# Altium PCB CL-HC-M-V2.1gerber.PcbDoc (part 16 of 18)
Units mil, origin at the board's own origin, x right, y up, seen from the top; angles counter-clockwise.
Board outline 27559.06 x 27559.06 mil, 2 copper layers (TopLayer, BottomLayer); 757 components, 558 nets, 2605 pads, 2186 vias.
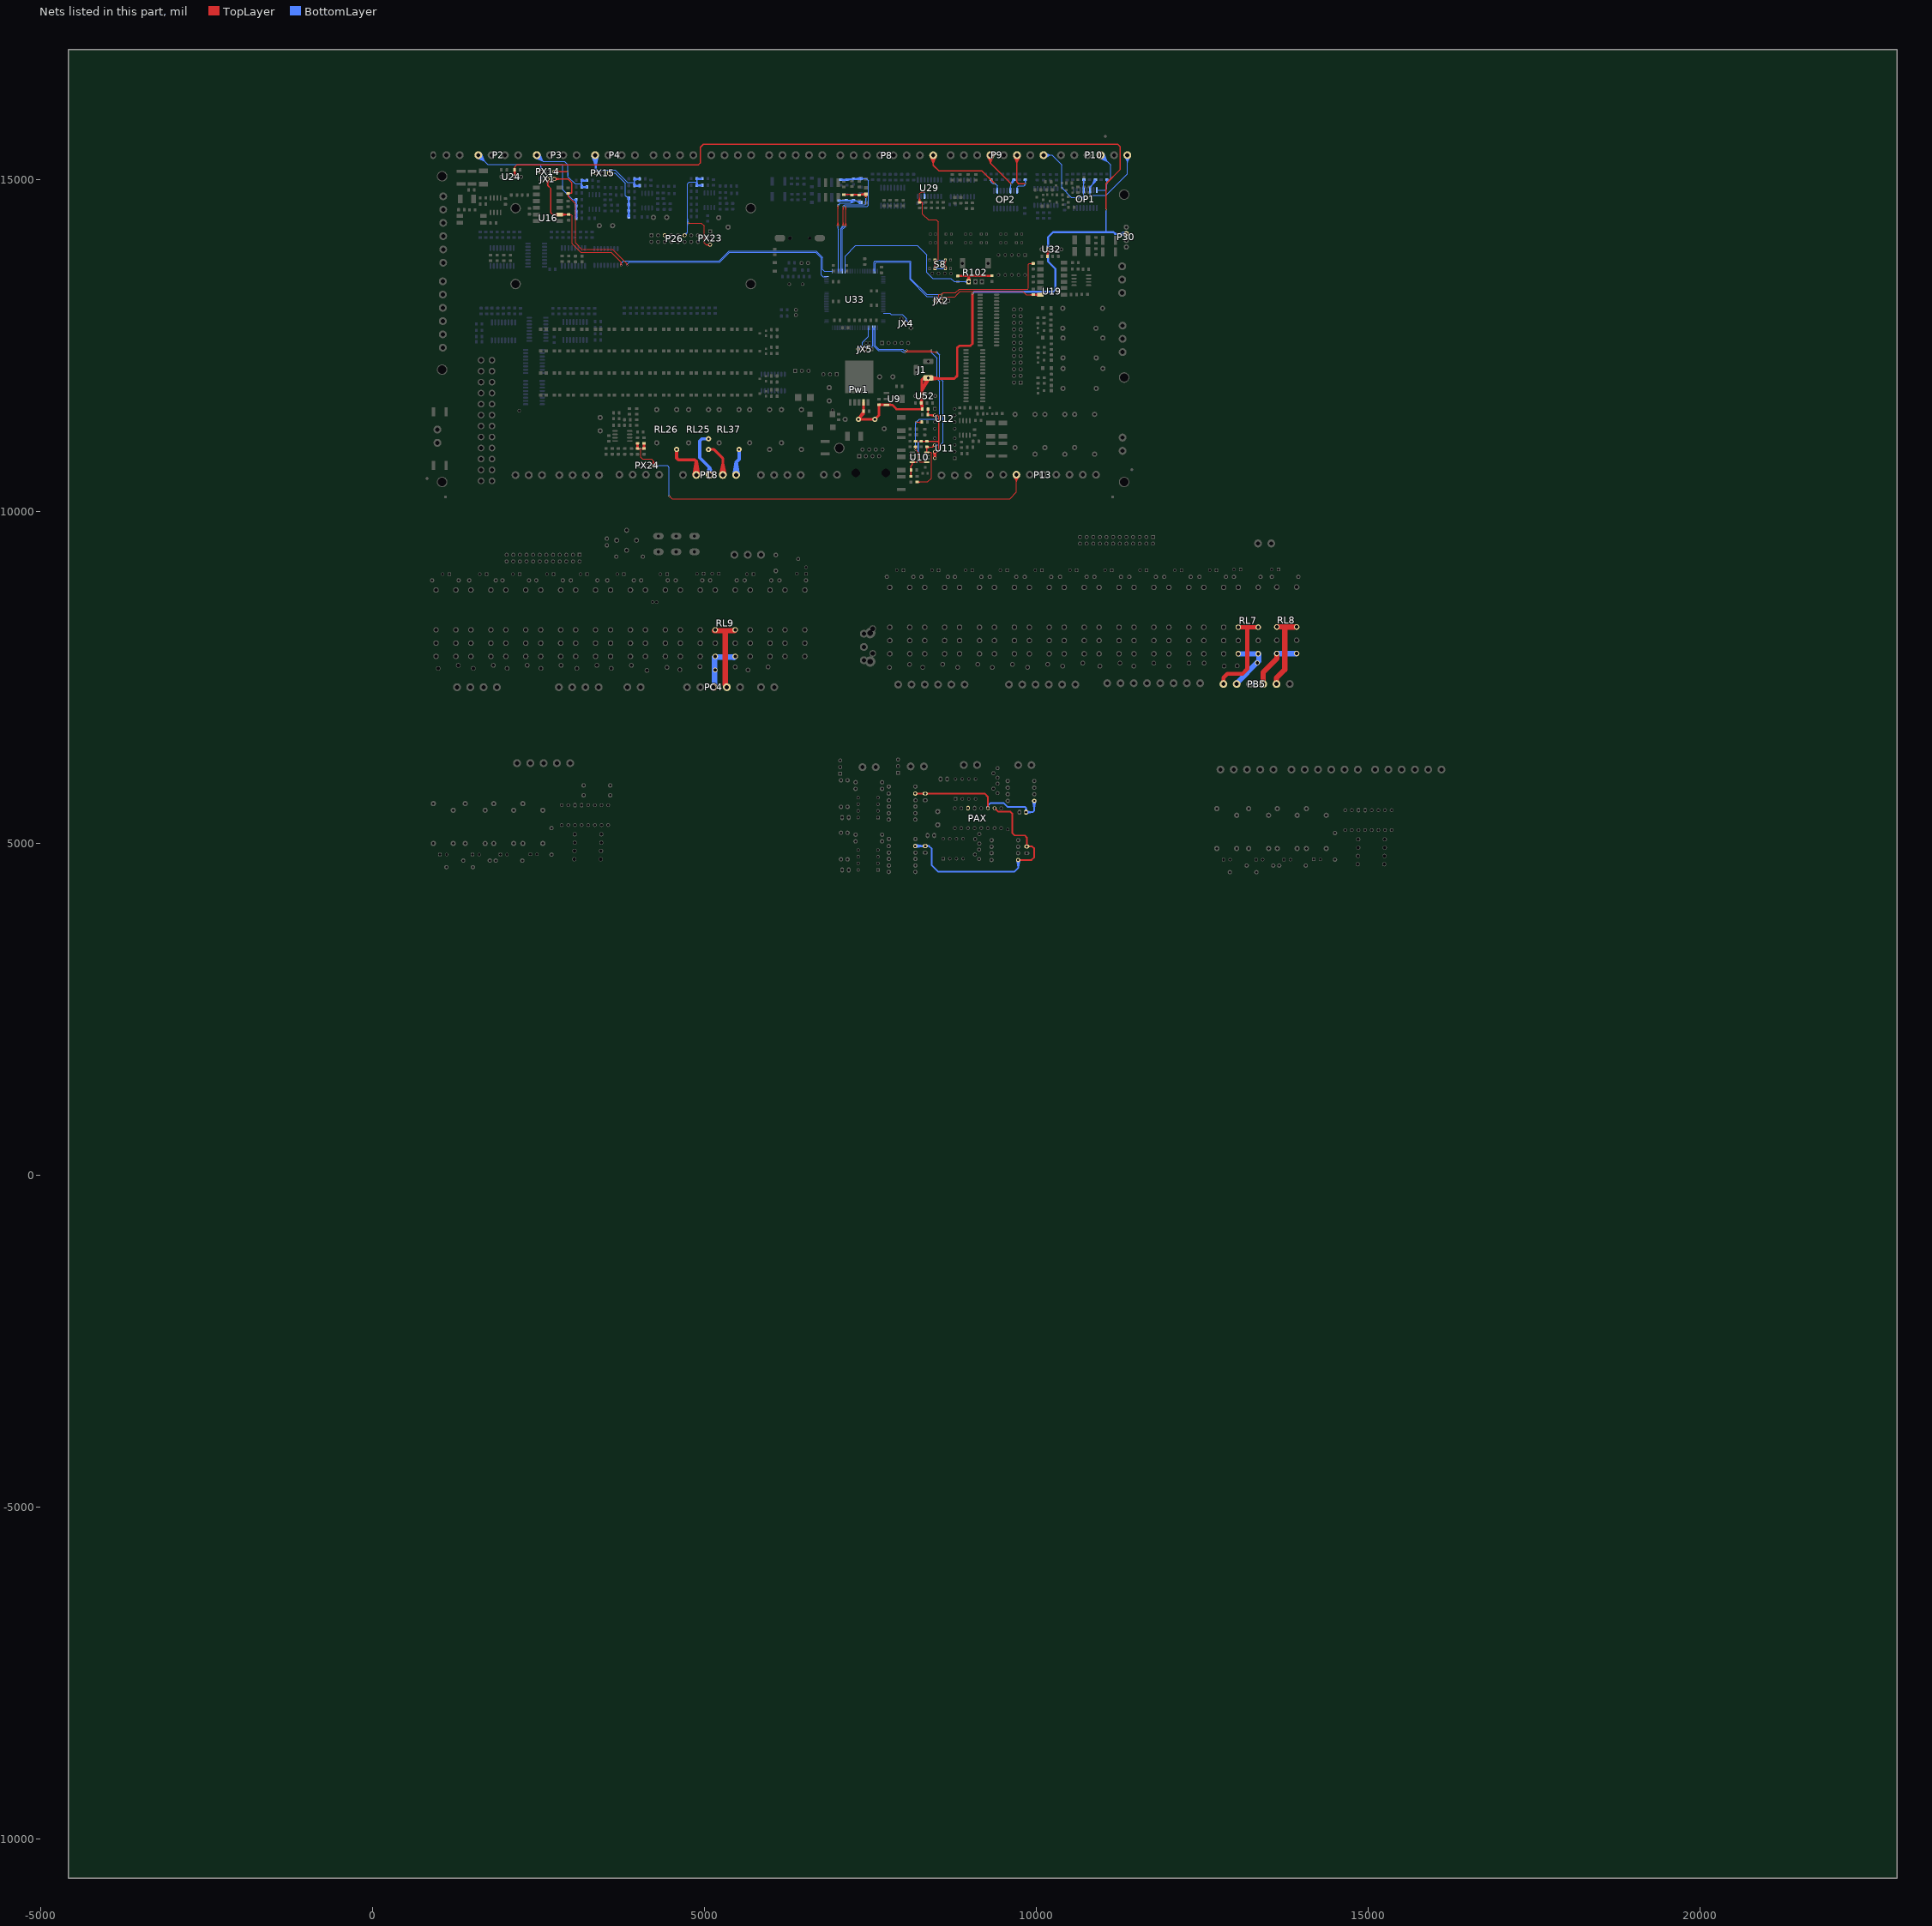
[diagram p16: the nets of this part, all layers, seen from the top]

## Via types
v1: diameter 25, hole 15, TopLayer to BottomLayer, tented both sides, 2146 vias
v2: diameter 20, hole 12, TopLayer to BottomLayer, tented both sides, 24 vias
v3: diameter 25, hole 15, TopLayer to BottomLayer, 13 vias
v4: diameter 50, hole 28, TopLayer to BottomLayer, tented both sides, 2 vias
v5: diameter 40, hole 24, TopLayer to BottomLayer, tented both sides, 1 vias

## Nets (pads, with @x,y where several pads share a name; then routed paths per layer and width w, separated by ;. In a path a pad name is that pad's centre, name@x,y a point inside that pad or via, vN(x,y) a via of type N, cw(c..) or ccw(c..) an arc to the next point about the centre after c; other vN are vias at no path point) (continued)
STM32-RX2: JX1.2 R174.2 U16.4 U33.37 | length 7053.5
  TopLayer w10: R174.2@2954.07,14474.76 2990.93,14474.76 ; R174.2@2959.07,14474.76 2990.93,14474.76 ; R174.2@2962.6,14460.18 2990.93,14474.76 ; R174.2@2962.6,14489.34 2990.93,14474.76 ; v1@3736.45,13707.45 3743.93,13749.29 v1@3751.4,13707.45 ; v1(3743.93,13706.79) 3743.93,13759.25 3595.06,13908.12 3134.97,13908.12 3005.82,14037.26 3005.82,14459.87 2990.93,14474.76
  TopLayer w20: JX1.2@2619.73,15008.06 2639.14,14920.66 JX1.2@2658.55,15008.06 ; JX1.2@2639.14,15010.19 2639.14,14912.6 2687.66,14864.08 2687.66,14500.06 2712.96,14474.76 U16.4@2823.29,14474.76 R174.2@2954.07,14474.76 ; U16.4@2801.48,14455.35 2714.08,14474.76 ; U16.4@2801.48,14494.17 2714.08,14474.76 ; U16.4@2803.61,14474.76 2714.08,14474.76 ; U16.4@2869.07,14474.76 R174.2@2949.07,14474.76 ; R174.2@2932.5,14474.76 2845.11,14494.17 R174.2@2932.5,14474.76 ; R174.2@2932.5,14474.76 2845.11,14455.35 R174.2@2932.5,14474.76 ; R174.2@2932.5,14474.76 2842.98,14474.76 R174.2@2932.5,14474.76
  BottomLayer w10: v1@3736.48,13707.69 3743.93,13738.09 ; v1(3743.93,13706.79) 3743.93,13738.09 ; v1@3751.37,13707.69 3743.93,13738.09 ; 6889.21,13622.58 U33.37@6923.96,13622.58 6806.53,13622.58 6780.81,13648.3 6780.81,13826.05 6682.82,13924.04 5375.1,13924.04 5226.68,13775.62 3781.46,13775.62 3743.93,13738.09
STM32-RX3: JX2.3 R175.2@9957.13,13268.69 U19.4 U33.70 | length 4320.5
  TopLayer w10: v1(8576.11,13231.2) 8771.44,13231.2 8789.46,13249.22 ; v1@8576.77,13223.73 8618.61,13231.2 v1@8576.77,13238.67 ; R175.2@9949.7,13283.49 9902.12,13268.09 ; R175.2@9950.06,13253.84 9902.12,13268.09 ; R175.2@9952.13,13268.69 9902.12,13268.09 ; R175.2@9957.13,13268.69 9957.73,13268.09 9849.48,13268.09 9801.4,13316.17 8856.4,13316.17 8797.79,13257.56 ; 8789.46,13249.22 8797.79,13257.56 ; 8789.46,13249.22 8797.79,13257.56
  TopLayer w20: U19.4@10040.45,13248.73 R175.2@9962.13,13268.69 ; U19.4@10040.72,13248.69 R175.2@9957.73,13268.09 ; U19.4@10042.13,13268.09 R175.2@9962.13,13268.69 ; U19.4@10062.64,13268.09 R175.2@9957.73,13268.09 ; R175.2@9957.73,13268.09 10040.72,13287.49 R175.2@9962.13,13268.69 ; R175.2@9957.73,13268.09 10042.95,13268.09 R175.2@9962.13,13268.69
  BottomLayer w10: U33.70@7573.57,13622.58 7573.57,13740.39 7588.62,13755.44 8083.88,13755.44 8096.48,13742.84 8096.48,13496.93 8351.62,13241.79 8473.42,13241.79 ; U33.70@7573.57,13652.83 7573.57,13687.58 ; JX2.3@8449.15,13182.02 8473.16,13236.5 ; JX2.3@8458.74,13178.74 8473.16,13236.5 ; JX2.3@8473.16,13176.97 8473.16,13241.52 8473.42,13241.79 ; JX2.3@8487.57,13178.74 8473.16,13236.5 ; JX2.3@8497.16,13182.02 8473.16,13236.5 ; v1@8575.45,13223.73 8533.61,13231.2 ; v1@8575.45,13238.67 8533.61,13231.2 ; 8473.42,13241.79 8521.68,13241.79 8532.26,13231.2 v1(8576.11,13231.2) 8533.61,13231.2
STM32-RX4: R158.1@8206.96,10446.03 R159.2@8352.38,10973.36 U10.4 U11.6 U33.112 | length 4932.9
  TopLayer w10: v1(8022.56,12403.59) v1(8498.2,12403.59) 8455.7,12403.59 ; v1@8497.54,12396.12 8455.7,12403.59 ; v1@8497.54,12411.06 8455.7,12403.59
  TopLayer w15: R158.1@8206.96,10446.03 8367.37,10446.03 8422.38,10501.04 8422.38,10883.36 8412.38,10893.36 ; R158.1@8211.96,10446.03 8276.96,10446.03 ; R158.1@8213.16,10433.59 8276.96,10446.03 ; R158.1@8213.16,10458.47 8276.96,10446.03 ; R159.2@8339.93,10972.16 8352.38,10908.36 R159.2@8364.82,10972.16 ; R159.2@8357.38,10973.36 8422.38,10973.36 ; R159.2@8358.58,10960.92 8422.38,10973.36 ; R159.2@8358.58,10985.8 8422.38,10973.36 ; U10.4@8380.38,10893.36 8412.38,10893.36 ; U11.6@8457.71,11012.91 8442.38,10973.36 ; U11.6@8472.38,11003.36 8442.38,10973.36 ; U11.6@8481.93,10988.7 8442.38,10973.36 ; 8412.38,10893.36 U10.4@8352.38,10893.36 R159.2@8352.38,10973.36 8442.38,10973.36
  BottomLayer w10: 7553.88,12703.25 U33.112@7553.88,12738 ; U33.112@7553.88,12768.25 7553.88,12492.77 7619.97,12426.69 7962.33,12426.69 7984.79,12404.23 ; v1@8021.69,12396.14 7984.79,12404.23 ; v1@8021.94,12411.06 7984.79,12404.23 ; U11.6@8472.38,11003.36 8554.52,11003.36 8597.43,11046.26 8597.43,11963.86 8542.66,12018.63 8542.66,12359.13 v1(8498.2,12403.59) ; U11.6@8473.28,10993.4 8527.38,11003.36 ; U11.6@8473.28,11013.32 8527.38,11003.36 ; U11.6@8476.01,10983.69 8527.38,11003.36 ; U11.6@8476.01,11023.02 8527.38,11003.36 ; v1@8493.33,12397.88 8531.92,12369.87 v1@8503.91,12408.46 ; 7984.79,12404.23 8021.92,12404.23 v1(8022.56,12403.59) 7984.79,12404.23
STM32-RX5: JX5.3 U33.116 | length 780.6
  BottomLayer w10: JX5.3@7304.46,12466.11 7369.32,12496.79 ; JX5.3@7309.4,12457.31 7369.32,12496.79 ; JX5.3@7329.84,12436.87 7369.32,12496.79 ; JX5.3@7338.63,12431.93 7369.32,12496.79 ; 7475.14,12703.25 U33.116@7475.14,12738 ; U33.116@7475.14,12768.25 7475.14,12638.15 7383.8,12546.81 7383.8,12511.28 JX5.3@7318.58,12446.05 7369.32,12496.79
STM32-TX1: JX4.2 U33.101 | length 775.3
  BottomLayer w10: U33.101@7695.61,12988.72 7792.5,12988.72 7812.92,12968.3 7985.31,12968.3 8040.63,12912.98 JX4.2@8040.63,12835.86 ; U33.101@7725.86,12988.72 7760.61,12988.72 ; JX4.2@8016.46,12840.05 8040.63,12907.62 ; JX4.2@8026.18,12837.33 8040.63,12907.62 ; JX4.2@8055.08,12837.33 8040.63,12907.62 ; JX4.2@8064.79,12840.05 8040.63,12907.62
STM32-TX2: JX1.3 R171.2@2947.38,14794.27 U33.36 | length 6048.4
  TopLayer w10: R171.2@2932.58,14791.83 2947.38,14748.22 ; R171.2@2947.38,14794.27 2947.38,14748.22 ; R171.2@2962.17,14791.83 2947.38,14748.22 ; v1@3828.12,13708 3835.52,13729.91 ; v1(3835.52,13706.79) 3835.52,13729.91 ; v1@3842.92,13708 3835.52,13729.91 ; 2947.38,14748.22 3059.38,14636.22 3059.38,14045.96 3153.2,13952.14 3613.29,13952.14 3835.52,13729.91
  TopLayer w20: JX1.3@2739.14,15010.19 2947.56,15010.19 3004.57,14953.18 3004.57,14802.19 2996.65,14794.27 ; JX1.3@2741.27,14990.78 2828.66,15010.19 JX1.3@2741.27,15029.6 ; R171.2@2947.38,14794.27 2996.65,14794.27 ; R171.2@2952.38,14794.27 2996.65,14794.27
  BottomLayer w10: v1@3828.16,13708.25 3835.52,13726.02 ; v1(3835.52,13706.79) 3835.52,13726.02 ; v1@3842.87,13708.25 3835.52,13726.02 ; U33.36@6811.03,13539.9 6787.93,13539.9 ; U33.36@6841.28,13539.9 6787.93,13539.9 ; 3835.52,13726.02 3867.05,13757.55 5234.06,13757.55 5382.55,13906.04 6675.37,13906.04 6762.81,13818.59 6762.81,13565.03 6787.93,13539.9
STM32-TX3: JX2.2 R173.2 U33.69 | length 4209
  TopLayer w10: JX2.2@8552.59,13163.6 8531.34,13218.79 ; JX2.2@8561.7,13168.03 8531.34,13218.79 ; v1@8569.82,13277.33 8599.98,13296.94 ; v1@8573.77,13264.05 8538.08,13271.51 ; v1@8573.77,13278.97 8538.08,13271.51 ; v1@8580.37,13266.79 8599.98,13296.94 ; JX2.2@8582.09,13188.42 8531.34,13218.79 ; JX2.2@8586.53,13197.53 8531.34,13218.79 ; R173.2@9947.19,13723.27 9899.44,13738.1 ; R173.2@9947.19,13752.93 9899.44,13738.1 ; R173.2@9949.44,13738.1 9899.44,13738.1 ; R173.2@9954.44,13738.1 9896.14,13738.1 9883.6,13725.56 9883.6,13362.39 9873.39,13352.17 8841.49,13352.17 8786.26,13296.94 8599.98,13296.94 ; 8531.34,13218.79 8531.34,13264.77 8538.08,13271.51 ; 8531.34,13218.79 JX2.2@8573.16,13176.97 8531.34,13218.79 ; 8538.08,13271.51 v1(8574.54,13271.51) 8599.98,13296.94
  BottomLayer w10: U33.69@7553.88,13622.58 7553.88,13758.47 7568.85,13773.44 8101.71,13773.44 8114.48,13760.67 8114.48,13507.16 8350.13,13271.51 v1(8574.54,13271.51) 8532.04,13271.51 ; U33.69@7553.88,13652.83 7553.88,13687.58 ; v1@8573.88,13264.04 8532.04,13271.51 ; v1@8573.88,13278.98 8532.04,13271.51
STM32-TX4: R63.2 R160.2@8274.67,11348.36 U10.1 U33.111 | length 4475.9
  TopLayer w10: v1(8048.8,12429.09) v1(8420.23,12429.09) 8377.73,12429.09 ; v1@8049.46,12421.62 8091.3,12429.09 v1@8049.46,12436.56 ; v1@8419.57,12421.62 8377.73,12429.09 ; v1@8419.57,12436.56 8377.73,12429.09
  TopLayer w15: R63.2@8194.74,10971.31 v1(8182.38,10930.74) ; 8250.37,11340.42 v1(8192.38,11348.36) ; 8250.37,11356.3 v1(8192.38,11348.36) ; 8267.38,10743.36 U10.1@8324.38,10743.36 ; R160.2@8273.46,11335.92 8209.67,11348.36 ; R160.2@8273.46,11360.8 8209.67,11348.36 ; R160.2@8274.67,11348.36 v1(8192.38,11348.36) ; U10.1@8352.38,10743.36 8249.26,10743.36 8228.57,10764.05 8228.57,10884.55 v1(8182.38,10930.74) ; v1(8182.38,10930.74) R63.2@8182.38,10973.15 v1(8182.38,10930.74) ; v1(8182.38,10930.74) 8170.01,10971.31 v1(8182.38,10930.74) ; v1(8192.38,11348.36) 8209.67,11348.36 ; v1(8192.38,11348.36) 8209.67,11348.36
  BottomLayer w10: 7573.57,12703.25 U33.111@7573.57,12738 ; U33.111@7573.57,12768.25 7573.57,12498.54 7627.42,12444.69 7990.5,12444.69 8006.1,12429.09 v1(8048.8,12429.09) ; v1@8187.47,11354.03 8225.8,11382.24 ; v1@8198.11,11343.53 8225.8,11382.24 ; v1@8412.78,12428.21 8420.23,12396.87 ; v1(8420.23,12429.09) 8420.23,12396.87 ; v1@8427.68,12428.21 8420.23,12396.87 ; 8225.8,11382.24 v1(8192.38,11348.36) 8192.38,11348.82 8238.89,11395.33 8509.82,11395.33 8545.43,11430.93 8545.43,11960.54 8505.84,12000.12 8505.84,12311.26 8420.23,12396.87
  BottomLayer w15: v1(8182.38,10930.74) 8182.38,11338.36 v1(8192.38,11348.36) 8182.38,11283.34
STM32-TX5: JX5.2 U33.113 | length 700.3
  BottomLayer w10: JX5.2@7400.33,12462.44 7440.96,12489.33 ; JX5.2@7406.81,12454.58 7440.96,12489.33 ; JX5.2@7432.33,12441.38 7440.96,12489.33 ; JX5.2@7442.5,12440.63 7440.96,12489.33 ; 7534.2,12703.25 U33.113@7534.2,12738 ; U33.113@7534.2,12768.25 7534.2,12494.08 7529.45,12489.33 7440.96,12489.33 ; 7440.96,12489.33 7418.58,12466.95 JX5.2@7418.58,12446.05 7440.96,12489.33
VCC: C46.1 C47.1 C48.1 C54.2 C55.1 C83.2 J1.1 L1.2 P30.3 Pw1.4 R67.1 U9.3 U24.2 U32.2 U52.2 | length 24039.2
  TopLayer w20: U24.2@2140.38,15043.36 2140.38,15189.44 ; U24.2@2140.38,15058.36 C54.2@2140.38,15138.36 ; C54.2@2140.37,15152.69 2140.38,15189.44 ; v1(11051.45,14545.63) 11051.45,14940.34 11267.72,15156.61 11267.72,15494.54 11228.24,15534.03 4985.05,15534.03 4938.62,15487.6 4938.62,15253.93 4911,15226.3 2177.24,15226.3 2140.38,15189.44 ; U24.2@2140.37,15062.69 2140.37,15142.69 U24.2@2140.38,15062.69
  TopLayer w32: U24.2@2140.38,15043.36 C54.2@2140.37,15147.69 2140.38,15058.36 2140.37,15142.69 U24.2@2140.38,15043.36 ; C55.1@10171.91,13844.31 10171.91,13943.65 10171.91,13849.31 10178.34,13935.07 C55.1@10171.91,13844.31
  TopLayer w35: L1.2@7318.56,11388.36 L1.2@7322.38,11388.36 ; U9.3@7744.3,11606.04 7830.06,11606.04 ; U9.3@7761.8,11608.26 7636.8,11608.26 7718.71,11606.04 C48.1@7631.8,11608.26 7801.46,11608.26 7769.89,11606.04 7830.06,11606.04 ; 8160.55,11542.58 R67.1@8285.55,11542.58 R67.1@8277.95,11542.58 ; U52.2@8277.95,11754.99 8277.95,11879.99 ; J1.1@8353.08,12021.12 8277.95,11817.04 ; J1.1@8373.2,12012.54 8277.95,11817.04 ; J1.1@8392.35,12001.99 8277.95,11817.04 ; J1.1@8412.57,12012.54 8557.32,12002.86 ; J1.1@8412.76,11990.68 8557.32,12002.86 ; J1.1@8415.67,12034.19 8557.32,12002.86 ; 9038.5,13165.34 v1(9038.5,13282.84) 9038.5,12528.58 9008.71,12498.78 8842.76,12498.78 8810.14,12466.17 8810.14,12045.11 8767.9,12002.86 8293.99,12002.86 ; 7830.06,11606.04 7893.52,11542.58 R67.1@8277.95,11542.58 ; C83.2@8267.42,11630.59 8277.95,11599.99 8277.95,11724.99 C83.2@8267.42,11640.59 ; C83.2@8267.42,11630.59 R67.1@8277.95,11542.58 ; C83.2@8267.42,11630.59 8285.55,11547.58 8277.95,11673.45 C83.2@8267.42,11640.59 ; C83.2@8267.42,11640.59 U52.2@8277.95,11739.99 ; R67.1@8277.95,11542.58 U52.2@8277.95,11739.99 ; U52.2@8277.95,11739.99 8277.95,11986.83 ; 8277.95,11986.83 8293.99,12002.86 ; 8277.95,11986.83 8339.29,11991.37 8277.95,11986.83 ; 8277.95,11986.83 8321.3,12030.47 8277.95,11986.83 ; 8277.95,11986.83 J1.1@8333.83,12012.54 ; 8277.95,11986.83 J1.1@8333.83,12012.54 ; 8293.99,12002.86 8333.14,11990.69 8293.99,12002.86 ; 8293.99,12002.86 8323.18,12031.65 8293.99,12002.86 ; 8293.99,12002.86 J1.1@8333.83,12012.54 ; 8293.99,12002.86 J1.1@8333.83,12012.54
  TopLayer w40: L1.2@7318.56,11388.36 L1.2@7320.47,11390.27 ; 7394.06,11388.36 C46.1@7569.74,11388.36 ; C48.1@7631.8,11608.26 7631.8,11450.42 ; L1.2@7320.47,11390.27 7398.67,11468.47 ; L1.2@7320.47,11390.27 C47.1@7397.38,11508.36 ; L1.2@7322.38,11388.36 C46.1@7569.74,11388.36 ; L1.2@7322.38,11388.36 7398.67,11468.47 ; L1.2@7322.38,11388.36 C47.1@7397.38,11508.36 ; C47.1@7397.38,11508.36 7398.67,11468.47 ; C47.1@7397.38,11508.36 7398.67,11473.62 7398.67,11614.69 7397.38,11518.36 Pw1.4@7398.67,11642.84 7398.67,11468.47 ; C47.1@7397.38,11508.36 7398.67,11468.47 ; C47.1@7397.38,11508.36 7398.67,11468.47 ; C46.1@7569.74,11388.36 7631.8,11450.42 ; C46.1@7569.74,11388.36 7631.8,11450.42
  BottomLayer w20: v1(11051.45,14545.63) 11051.45,14219.41 11060.45,14210.41
  BottomLayer w30: v1(9038.5,13282.84) 9067.63,13311.96 10255.73,13311.96 10288.18,13344.4 10288.18,13656.2 10178.34,13766.04 U32.2@10178.34,13950.07 10178.34,14135.71 10253.03,14210.41 11060.45,14210.41 11163.81,14210.41 11189.23,14184.99 P30.3@11356.69,14184.99 ; 10178.34,13825.07 U32.2@10178.34,13935.07 ; U32.2@10178.34,13965.07 10178.34,14075.07 ; P30.3@11354.4,14160.73 11227.32,14184.99 P30.3@11354.4,14209.25
VCC-SEL: C53.2 R59.1 R62.1 R63.1 R66.2 R67.2 R159.1@8352.38,11058.36 U10.8 U11.7 U11.8 U12.2 | length 4480.6
  TopLayer w20: R59.1@8112.88,10541.04 C53.2@8112.88,10621.04 ; C53.2@8112.88,10631.04 8112.88,10683.86 ; R63.1@8182.38,11058.15 v1(8222.38,11058.15) ; R63.1@8187.38,11058.15 v1(8222.38,11058.15) ; R62.1@8262.38,11058.36 v1(8222.38,11058.15) ; R62.1@8267.37,11058.15 8347.38,11058.36 8272.38,11058.36 R159.1@8352.38,11058.15 ; R159.1@8357.38,11058.36 8437.38,11058.15 ; R66.2@8387.37,11450.04 8389.05,11448.36 ; 8447.01,11437.8 R66.2@8368.58,11454.06 ; U12.2@8450.37,11448.36 R66.2@8368.58,11459.06 ; U11.7@8457.4,10904.23 U11.8@8459.95,10818.77 ; U11.8@8457.43,10804.68 8472.38,10888.36 U11.8@8487.32,10804.68 ; U11.7@8457.43,10902.03 8472.38,10818.36 U11.7@8487.32,10902.03 ; U11.7@8457.78,10899.88 U11.8@8484.8,10818.77 ; U12.2@8471.02,11433.42 8389.05,11448.36 ; U11.8@8472.38,10803.36 U11.7@8472.38,10903.36 ; U11.7@8474.88,10888.57 8517.38,10903.36 ; U11.7@8474.88,10918.15 8517.38,10903.36 ; U12.2@8475.03,11433.59 8514.8,11448.36 ; U12.2@8475.03,11463.12 8514.8,11448.36 ; U11.7@8486.97,10899.88 U11.8@8459.95,10818.77 ; U11.7@8487.35,10904.23 U11.8@8484.8,10818.77 ; R59.1@8112.38,10528.36 8112.88,10528.86 C53.2@8112.88,10626.04 8112.88,10683.86 ; R59.1@8112.38,10528.36 8112.88,10608.36 R59.1@8112.38,10528.36 ; 8112.88,10683.86 8132.38,10703.36 U10.8@8132.38,10743.36 ; U10.8@8132.38,10743.36 v1(8197.38,10743.36) ; U10.8@8132.38,10743.36 v1(8197.38,10743.36) ; v1(8197.38,10743.36) 8160.38,10743.36 v1(8197.38,10743.36) ; v1(8222.38,11058.15) 8517.58,11058.15 8532.38,11043.36 ; R66.2@8368.58,11454.06 8389.05,11448.36 ; R66.2@8368.58,11454.06 8389.05,11448.36 ; R66.2@8368.58,11454.06 8389.05,11448.36 ; R66.2@8368.58,11454.06 8389.05,11448.36 ; R66.2@8368.58,11459.06 R66.2@8370.55,11461.02 ; R66.2@8368.58,11459.06 8471.02,11463.3 8389.05,11448.36 ; R66.2@8370.55,11461.02 R67.2@8370.55,11542.58 8368.58,11464.06 8370.55,11537.58 R66.2@8370.55,11461.02 ; 8389.05,11448.36 U12.2@8472.38,11448.36 8514.8,11448.36 ; U11.8@8459.95,10818.77 U11.7@8472.38,10903.36 ; U11.7@8472.38,10903.36 8517.38,10903.36 ; U11.7@8472.38,10903.36 U11.8@8484.8,10818.77 ; 8514.8,11448.36 8532.38,11430.79 8532.38,11043.36 ; 8517.38,10903.36 8532.38,10918.36 8532.38,11043.36
  BottomLayer w20: v1(8197.38,10743.36) 8222.38,10768.36 v1(8222.38,11058.15)
VIN0~10V(1): C2.1@8327.26,5749.36 C4.1@9848.14,5469.36 PAX.11@9272.68,5530.32 R11.1@8178.66,5749.72 R25.1@9970.82,5639.36 | length 2923.9
  TopLayer w25: R11.1@8178.66,5749.72 8179.03,5749.36 C2.1@8327.26,5749.36 9220.94,5749.36 9272.68,5697.62 PAX.11@9272.68,5530.32
  BottomLayer w25: PAX.11@9257.94,5533.08 9272.68,5571.1 ; PAX.11@9272.68,5530.32 9272.68,5571.1 ; PAX.11@9287.42,5533.08 9272.68,5571.1 ; C4.1@9833.26,5483.47 9848.14,5530.32 ; C4.1@9848.14,5481.17 9848.14,5530.32 ; C4.1@9849.31,5454.34 9944.99,5469.36 ; C4.1@9849.31,5484.37 9944.99,5469.36 ; C4.1@9863.02,5483.47 9848.14,5530.32 ; R25.1@9950.9,5637.5 9970.82,5531.86 R25.1@9990.73,5637.5 ; R25.1@9970.82,5639.36 9970.82,5495.18 9944.99,5469.36 ; 9272.68,5571.1 9310.94,5609.36 9508.14,5609.36 9568.14,5549.36 9829.1,5549.36 9848.14,5530.32 ; 9848.14,5530.32 C4.1@9848.14,5469.36 9944.99,5469.36
VIN0~10V(2): C1.1@8327.26,4959.36 C3.1@9858.14,4952.51 PAX.13@9372.68,5530.32 R1.1@8178.14,4959.36 R21.1@9728.14,4749.36 | length 4576.5
  TopLayer w25: PAX.13@9372.68,5530.32 9427.68,5475.32 9612.18,5475.32 9638.14,5449.36 9638.14,5159.36 9678.14,5119.36 9828.14,5119.36 9858.14,5089.36 C3.1@9858.14,4952.51 9940.61,4952.51 9970.82,4922.3 9970.82,4789.67 9930.5,4749.36 R21.1@9728.14,4749.36
  BottomLayer w25: C1.1@8327.26,4959.36 8385.51,4959.36 ; C1.1@8339.07,4959.36 8385.51,4959.36 ; C1.1@8341.52,4944.5 8385.51,4959.36 ; C1.1@8341.52,4974.22 8385.51,4959.36 ; R21.1@9708.23,4747.5 9728.14,4641.86 R21.1@9748.05,4747.5 ; R21.1@9728.14,4749.36 9728.14,4629.36 9669.6,4570.81 8526.68,4570.81 8428.14,4669.36 8428.14,4916.73 8385.51,4959.36
  BottomLayer w30: R1.1@8197.89,4959.36 C1.1@8315.45,4959.36 ; C1.1@8327.26,4959.36 R1.1@8178.14,4959.36 C1.1@8300.64,4959.36 ; C1.1@8300.64,4959.36 8179.39,4976.81 C1.1@8300.64,4959.36 ; C1.1@8300.64,4959.36 8179.39,4941.9 C1.1@8300.64,4959.36
三角接法: PC4.2 RL9.5 | length 1151.2
  TopLayer w80: RL9.5@5152.79,8206.12 5314.3,8206.12 ; PC4.2@5338.93,7365.16 5314.3,7389.8 5314.3,8206.12 ; RL9.5@5452.79,8206.12 5314.3,8206.12
中效: OP2.8 P9.6 R25.2@9834.85,14998.5 | length 1749.9
  TopLayer w20: P9.6@9662.72,15358.92 9710.72,15249.97 ; P9.6@9681.88,15365.48 9710.72,15249.97 ; P9.6@9710.72,15369.03 9710.72,14964.44 9734.75,14940.4 v1(9836.86,14940.4) 9764.36,14940.4 ; P9.6@9739.56,15365.48 9710.72,15249.97 ; P9.6@9758.72,15358.92 9710.72,15249.97
  BottomLayer w15: OP2.8@9712.76,14865.04 9714.85,14887.95 ; OP2.8@9714.85,14843.5 9714.85,14887.95 ; R25.2@9822.4,14997.3 9834.85,14933.5 R25.2@9847.29,14997.3 ; R25.2@9822.51,14996.75 v1(9836.86,14940.4) ; R25.2@9834.85,14998 v1(9836.86,14940.4) ; R25.2@9834.85,14998.5 9834.85,14921.76 ; R25.2@9847.26,14997.18 v1(9836.86,14940.4) ; 9714.85,14887.95 9731.03,14904.13 9817.22,14904.13 ; 9817.22,14904.13 9834.85,14921.76 ; 9817.22,14904.13 v1(9836.86,14940.4) ; 9834.85,14921.76 v1(9836.86,14940.4) ; 9834.85,14921.76 v1(9836.86,14940.4)
亚高效: OP2.6 P9.4 R27.2@9664.85,14998.5 | length 2114.9
  TopLayer w20: P9.4@9262.72,15358.92 9310.72,15249.97 ; P9.4@9281.88,15365.48 9310.72,15249.97 ; P9.4@9310.72,15369.03 9310.72,15248.49 v1(9623.09,14936.12) 9568.17,14991.05 ; P9.4@9339.56,15365.48 9310.72,15249.97 ; P9.4@9358.72,15358.92 9310.72,15249.97
  BottomLayer w15: OP2.6@9612.76,14865.04 9614.85,14923.5 ; OP2.6@9613.25,14878.71 v1(9623.09,14936.12) ; OP2.6@9614.85,14843.5 9614.85,14923.5 ; OP2.6@9614.85,14876.73 v1(9623.09,14936.12) ; R27.2@9644.34,14990.9 v1(9623.09,14936.12) ; R27.2@9648.32,15003.33 v1@9626.5,14935.16 ; R27.2@9654,14987.39 v1(9623.09,14936.12) ; R27.2@9659.85,14998.5 v1@9626.5,14935.16 ; R27.2@9663.43,14982.8 v1(9623.09,14936.12) ; R27.2@9670.36,14991.73 v1@9626.5,14935.16 ; 9614.85,14923.5 9664.85,14973.5 ; 9614.85,14923.5 v1(9623.09,14936.12) ; 9614.85,14923.5 v1(9623.09,14936.12) ; 9614.85,14923.5 v1(9623.09,14936.12) ; v1(9623.09,14936.12) 9664.85,14973.5 ; 9664.85,14973.5 R27.2@9664.85,14998.5 ; 9664.85,14973.5 9676.95,14995.37 9664.85,14973.5 ; 9664.85,14973.5 9652.74,14995.37 9664.85,14973.5 ; 9664.85,14973.5 R27.2@9664.85,14998.5 ; 9664.85,14973.5 R27.2@9664.85,14998.5
冷/热水: C17.2 C23.1 P4.4 PX15.3 R118.2 R121.2 | length 3378.6
  BottomLayer w15: PX15.3@3351.23,15116.05 3413.7,15147.76 ; PX15.3@3364.16,15098.22 3413.7,15147.76 ; PX15.3@3381.99,15085.29 3413.7,15147.76 ; R121.2@3933.76,15004.6 3946.15,14957.72 ; C23.1@3933.8,14918.1 3946.15,14957.72 ; C23.1@3946.15,14916.22 3946.15,14957.72 ; R121.2@3946.15,15016.22 C17.2@4011.13,15020.96 ; R121.2@3946.44,14993.72 C17.2@4011.13,15001.47 ; R121.2@3946.44,15028.71 C17.2@4011.13,15020.96 ; C23.1@3947.36,14898.77 4011.15,14911.22 C23.1@3947.36,14923.66 ; R121.2@3947.36,14998.77 4011.15,15011.22 R121.2@3947.36,15023.66 ; R121.2@3948.26,15003.89 C17.2@4011.13,15020.96 ; R121.2@3948.26,15018.54 C17.2@4011.13,15001.47 ; C23.1@3958.51,14918.1 3946.15,14957.72 ; R121.2@3958.55,15004.6 3946.15,14957.72 ; R118.2@4024.05,14903.89 C23.1@3961.18,14920.96 ; R118.2@4024.05,14918.54 C23.1@3961.18,14901.47 ; R118.2@4024.95,14898.77 3961.15,14911.22 R118.2@4024.95,14923.66 ; C17.2@4024.95,14998.77 3961.15,15011.22 C17.2@4024.95,15023.66 ; R118.2@4025.86,14893.72 C23.1@3961.18,14901.47 ; R118.2@4025.86,14928.71 C23.1@3961.18,14920.96 ; R118.2@4026.15,14906.22 C23.1@3961.18,14901.47 ; R118.2@4026.15,14911.22 C23.1@3946.15,14911.22 3946.15,14957.72 ; R118.2@4026.15,14916.22 C23.1@3961.18,14920.96 ; C17.2@4026.15,15011.22 R121.2@3946.15,15011.22 3946.15,14957.72 ; 3413.7,15147.76 3653.16,15147.76 3843.2,14957.72 3946.15,14957.72 ; 3946.15,14957.72 3946.15,15006.22 C17.2@4011.13,15001.47